# KiCad board S13552_64Ch_Adapter_BGA2803_V2-Pannel.kicad_pcb (continued)
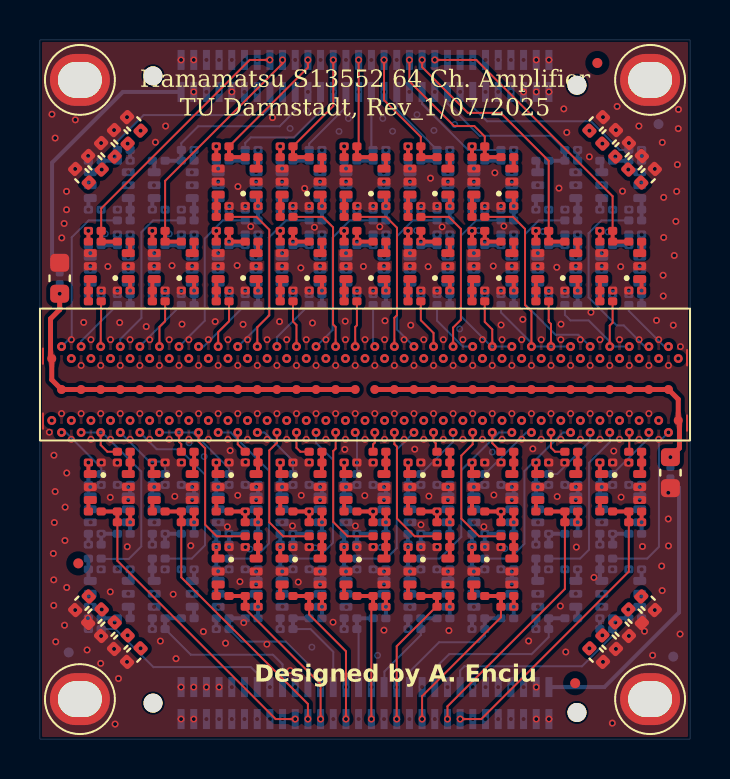
[diagram p0: board, top side]
## Routing (per net, layer and track width the routed paths; a pad name or vN(x,y) marks a point on that pad's centre or on a via; arc(x,y) is an arc through that point) (continued)
GND: length 0.3
  Top w0.2: C1.2 31.56,12.56 31.56,12.48 31.52,12.44 31.52,12.43 31.45,12.36 v3(31.45,12.33)
  vias: v3(0.6,31.28) v3(0.67,9.29) v3(0.76,30.09) v3(0.7,14.21) v3(0.76,12.39) v3(0.72,10.84) v3(0.69,7.97) v3(0.69,6.69) v3(0.79,4.87) v3(1.09,25.09) v3(1.21,25.81) v3(1.26,11.61) v3(1.25,9.94) v3(1.23,5.7) v3(1.33,27.42) v3(1.33,26.5) v3(1.34,13.32) v3(1.34,7.59) v3(1.77,31) v3(1.76,28.54) v3(1.76,6.46) v3(2.19,20.86) v3(2.36,4.46) v3(3.06,29.84) v3(3.04,3.79) v3(3.4,23.66) v3(3.71,30.49) v3(3.71,4.51) v3(3.76,0.75) v3(3.93,3.03) v3(3.99,20.85) v3(4.36,31.14) v3(4.37,9.63) v3(4.36,3.86) v3(5.32,20.65) v3(5.78,29.88) v3(6.29,30.69) v3(6.61,23.7) v3(6.81,4.02) v3(7.06,34) v3(7.06,2.6) v3(7.06,1) v3(7.11,20.77) v3(7.55,9.68) v3(7.7,34) v3(7.7,32.4) v3(7.7,2.6) v3(7.7,1) v3(8.18,5.38) v3(8.33,2.6) v3(8.77,20.9) v3(8.97,2.6) v3(9.29,4.8) v3(9.52,14.44) v3(9.6,32.4) v3(9.87,23.71) v3(9.91,27.66) v3(10.17,20.76) v3(11.64,31.11) v3(11.99,20.9) v3(13.06,23.59) v3(13.25,27.57) v3(13.64,20.83) v3(15.28,20.92) v3(15.26,14.5) v3(16.19,23.66) v3(17.27,20.94) v3(17.22,5.45) v3(18.56,20.72) v3(18.76,14.51) v3(19.43,23.65) v3(19.55,28.08) v3(20.47,5.43) v3(22.77,28.35) v3(22.69,23.68) v3(23.08,20.73) v3(24.17,21.01) v3(24.21,32.4) v3(24.46,4.91) v3(24.67,14.53) v3(24.84,34) v3(24.84,32.4) v3(24.84,2.6) v3(24.84,1) v3(25.48,34) v3(25.48,32.4) v3(25.48,1) v3(25.87,23.62) v3(25.98,27.58) v3(26.08,20.77) v3(26.22,31.55) v3(26.37,30.37) v3(26.32,4.36) v3(26.85,9.61) v3(27.58,21.37) v3(28.18,31.14) v3(28.18,3.86) v3(28.65,0.8) v3(28.72,14.42) v3(28.83,30.49) v3(28.83,4.51) v3(28.89,31.67) v3(29.07,23.65) v3(29.16,27.43) v3(29.48,5.16) v3(29.98,30.69) v3(30.16,9.64) v3(30.26,5.4) v3(30.67,4.19) v3(30.78,28.54) v3(30.78,6.46) v3(30.86,20.96) v3(31.15,29.87) v3(31.12,8.66) v3(31.14,7.43) v3(31.22,27.12) v3(31.22,25.11) v3(31.19,23.22) v3(31.2,22.18) v3(31.45,11.02) v3(31.46,9.67) v3(31.75,24.21) v3(31.7,20.72) v3(31.87,27.42) v3(31.83,25.92) v3(31.96,31.52) v3(31.95,30.56) v3(31.91,28.76) v3(32.04,5.26) v4(1.08,16.3) v4(2.06,18.7) v4(2.06,16.3) v4(2.52,24.33) v4(2.52,23.68) v4(2.52,12.62) v4(3.07,22.45) v4(3.04,18.7) v4(3.04,16.3) v4(3.08,13.84) v4(3.88,22.45) v4(3.87,13.83) v4(4.02,18.7) v4(4.02,16.3) v4(4.42,23.68) v4(4.42,12.62) v4(4.42,11.97) v4(5,18.7) v4(5,16.3) v4(5.72,24.33) v4(5.72,23.68) v4(5.72,12.62) v4(5.98,18.7) v4(5.98,16.3) v4(6.27,22.46) v4(6.27,13.84) v4(6.96,18.7) v4(6.96,16.3) v4(7.08,22.44) v4(7.09,13.84) v4(7.62,23.68) v4(7.62,12.62) v4(7.62,11.97) v4(7.94,18.7) v4(7.94,16.3) v4(8.92,28.56) v4(8.92,27.91) v4(8.92,24.33) v4(8.92,23.68) v4(8.92,18.7) v4(8.92,16.3) v4(8.92,12.62) v4(8.92,8.4) v4(9.38,10.63) v4(9.48,26.68) v4(9.46,13.84) v4(9.46,9.61) v4(9.5,22.44) v4(9.9,18.7) v4(9.9,16.3) v4(10.28,26.68) v4(10.27,22.45) v4(10.2,5.83) v4(10.29,13.87) v4(10.29,9.61) v4(10.55,25.66) v4(10.82,27.91) v4(10.82,23.68) v4(10.88,18.7) v4(10.88,16.3) v4(10.82,12.62) v4(10.82,11.97) v4(10.82,8.39) v4(10.82,7.74) v4(11.36,4.75) v4(11.86,18.7) v4(11.86,16.3) v4(12.12,28.56) v4(12.12,27.91) v4(12.12,24.33) v4(12.12,23.68) v4(12.12,12.62) v4(12.13,8.39) v4(12.52,3.43) v4(12.66,26.69) v4(12.67,22.45) v4(12.67,13.84) v4(12.64,10.67) v4(12.66,9.61) v4(12.84,18.7) v4(12.84,16.3) v4(13.47,26.68) v4(13.47,22.45) v4(13.48,13.85) v4(13.48,9.62) v4(13.74,25.62) v4(13.82,18.7) v4(13.82,16.3) v4(14.02,27.91) v4(14.02,23.68) v4(14.02,12.62) v4(14.02,11.97) v4(14.02,8.39) v4(14.02,7.74) v4(14.8,18.7) v4(14.8,16.3) v4(15.32,28.56) v4(15.32,27.91) v4(15.32,24.33) v4(15.32,23.68) v4(15.32,12.62) v4(15.32,8.39) v4(15.78,18.7) v4(15.78,16.3) v4(15.87,22.45) v4(15.86,13.84) v4(15.79,10.67) v4(15.86,9.61) v4(15.91,26.69) v4(16.67,26.68) v4(16.67,22.45) v4(16.68,13.84) v4(16.68,9.62) v4(16.76,18.7) v4(16.76,16.3) v4(17.01,25.65) v4(17.22,27.91) v4(17.22,23.68) v4(17.22,12.62) v4(17.22,11.97) v4(17.22,8.39) v4(17.22,7.74) v4(17.74,18.7) v4(17.74,16.3) v4(18.52,28.56) v4(18.52,27.91) v4(18.52,24.33) v4(18.52,23.68) v4(18.52,12.62) v4(18.52,8.39) v4(18.72,18.7) v4(18.72,16.3) v4(19.08,26.68) v4(19.06,22.45) v4(19.06,13.84) v4(19.07,10.73) v4(19.06,9.61) v4(19.7,18.7) v4(19.7,16.3) v4(19.88,26.68) v4(19.88,22.45) v4(19.88,9.62) v4(19.89,13.85) v4(20.13,25.64) v4(20.42,27.91) v4(20.42,23.68) v4(20.42,12.62) v4(20.42,11.97) v4(20.42,8.39) v4(20.42,7.74) v4(20.68,18.7) v4(20.68,16.3) v4(21.66,18.7) v4(21.66,16.3) v4(21.72,28.56) v4(21.72,27.91) v4(21.72,24.33) v4(21.72,23.68) v4(21.72,12.62) v4(21.72,8.39) v4(22.27,26.68) v4(22.27,22.45) v4(22.27,13.84) v4(22.22,10.63) v4(22.27,9.62) v4(22.64,18.7) v4(22.64,16.3) v4(23.08,26.68) v4(23.08,22.45) v4(23.08,13.85) v4(23.06,9.59) v4(23.22,25.68) v4(23.62,27.91) v4(23.62,23.68) v4(23.62,18.7) v4(23.62,16.3) v4(23.62,12.62) v4(23.62,11.97) v4(23.62,8.39) v4(23.62,7.74) v4(24.6,18.7) v4(24.6,16.3) v4(24.92,24.33) v4(24.92,23.68) v4(24.92,12.62) v4(25.47,22.44) v4(25.46,13.84) v4(25.58,18.7) v4(25.58,16.3) v4(26.27,22.45) v4(26.25,13.83) v4(26.56,18.7) v4(26.56,16.3) v4(26.82,23.68) v4(26.82,12.62) v4(26.82,11.97) v4(27.54,18.7) v4(27.54,16.3) v4(28.12,24.33) v4(28.12,23.68) v4(28.12,12.62) v4(28.52,18.7) v4(28.52,16.3) v4(28.68,22.45) v4(28.66,13.84) v4(29.47,22.45) v4(29.46,13.82) v4(29.5,18.7) v4(29.5,16.3) v4(30.02,23.68) v4(30.02,12.62) v4(30.02,11.97) v4(30.48,18.7) v4(30.48,16.3) v4(31.46,18.7) v5(0.47,15.36) v5(1.57,20) v5(1.57,15) v5(2.55,20) v5(2.55,15) v5(3.53,20) v5(3.53,15) v5(4.51,20) v5(4.51,15) v5(5.49,20) v5(5.49,15) v5(6.47,20) v5(6.47,15) v5(7.45,20) v5(7.45,15) v5(8.43,20) v5(8.43,15) v5(9.41,20) v5(9.41,15) v5(10.39,20) v5(10.39,15) v5(11.37,20) v5(11.37,15) v5(12.35,20) v5(12.35,15) v5(13.33,20) v5(13.33,15) v5(14.31,20) v5(14.31,15) v5(15.29,20) v5(15.29,15) v5(16.27,20) v5(16.27,15) v5(17.25,20) v5(17.25,15) v5(18.23,20) v5(18.23,15) v5(19.21,20) v5(19.21,15) v5(20.19,20) v5(20.19,15) v5(21.17,20) v5(21.17,15) v5(22.15,20) v5(22.15,15) v5(23.13,20) v5(23.13,15) v5(24.11,20) v5(24.11,15) v5(25.09,20) v5(25.09,15) v5(26.07,20) v5(26.07,15) v5(27.05,20) v5(27.05,15) v5(28.03,20) v5(28.03,15) v5(29.01,20) v5(29.01,15) v5(29.99,20) v5(29.99,15) v5(30.97,20) v5(30.97,15) v5(32.06,19.65) v6(2.41,29.19) v6(2.4,6.05) v6(3.06,5.16) v6(3.52,12.1) v6(3.52,7.37) v6(6.03,4.9) v6(6.67,7.25) v6(6.75,12.15) v6(9.9,12.2) v6(10.01,7.88) v6(12.93,7.86) v6(13.08,12.2) v6(14.67,5.85) v6(16.26,12.19) v6(19.47,12.16) v6(22.72,12.22) v6(25.89,12.14) v6(26.05,6.66) v6(27.5,29.15) v6(27.73,8.09) v6(29.09,12.11) v6(29.48,29.84) v7(30.13,29.19) v8(3.27,25.29) v8(6.47,25.29) v8(8.33,32.4) v8(8.97,32.4) v8(9.6,2.6) v8(10.87,34) v8(11.51,1) v8(12.14,1) v8(20.4,34) v8(21.03,34) v8(21.67,1) v8(23.57,32.4) v8(24.21,2.6) v9(10.24,32.4) v9(10.24,2.6) v9(22.3,32.4) v9(22.3,2.6) v9(22.94,32.4) v9(22.94,2.6) v9(23.57,2.6) v10(7.46,14.83) v10(8.22,14.14) v10(9.39,25.39) v10(10.51,9.51) v10(12.52,30.57) v10(12.57,25.42) v10(13.34,31.46) v10(13.61,4.6) v10(13.78,9.57) v10(14.97,30.42) v10(15.44,31.07) v10(15.79,25.43) v10(16.9,4.19) v10(17.07,9.6) v10(17.16,31.07) v10(17.65,30.43) v10(18.87,31.26) v10(18.85,25.46) v10(19.72,30.47) v10(19.89,9.63) v10(20.76,30.77) v10(21.01,20.53) v10(21.96,25.46) v10(22.64,14.37) v10(23.27,9.54) v10(25.19,25.41) v10(28.43,25.39) v11(2.52,27.73) v11(2.51,23.49) v11(2.53,11.5) v11(2.53,10.85) v11(2.52,7.28) v11(2.52,6.63) v11(3.06,26.5) v11(3.06,22.26) v11(3.06,12.71) v11(3.05,8.49) v11(3.88,22.27) v11(3.87,8.5) v11(3.89,26.51) v11(3.89,12.72) v11(4.42,28.38) v11(4.42,27.73) v11(4.41,24.14) v11(4.41,23.49) v11(4.43,11.5) v11(4.42,7.28) v11(5.7,27.72) v11(5.69,23.5) v11(5.73,11.5) v11(5.73,10.85) v11(5.71,7.27) v11(5.71,6.62) v11(6.25,26.49) v11(6.24,22.27) v11(6.26,12.71) v11(6.24,8.48) v11(7.07,26.5) v11(7.06,22.28) v11(7.08,12.72) v11(7.06,8.49) v11(7.6,28.37) v11(7.6,27.72) v11(7.59,24.15) v11(7.59,23.5) v11(7.63,11.5) v11(7.61,7.27) v11(8.92,27.73) v11(8.9,23.49) v11(8.94,11.51) v11(8.94,10.86) v11(8.93,7.27) v11(8.93,6.62) v11(9.47,26.5) v11(9.45,22.26) v11(9.47,12.72) v11(9.46,8.48) v11(10.27,22.27) v11(10.28,8.49) v11(10.29,26.51) v11(10.29,12.73) v11(10.82,28.38) v11(10.82,27.73) v11(10.8,24.14) v11(10.8,23.49) v11(10.84,11.51) v11(10.83,7.27) v11(12.11,27.73) v11(12.1,23.49) v11(12.13,11.51) v11(12.13,10.86) v11(12.14,7.28) v11(12.14,6.63) v11(12.66,26.5) v11(12.65,22.26) v11(12.66,12.72) v11(12.67,8.49) v11(13.48,26.51) v11(13.47,22.27) v11(13.48,12.73) v11(13.49,8.5) v11(14.01,28.38) v11(14.01,27.73) v11(14,24.14) v11(14,23.49) v11(14.03,11.51) v11(14.04,7.28) v11(15.3,27.72) v11(15.32,23.49) v11(15.33,11.5) v11(15.33,10.85) v11(15.34,7.26) v11(15.34,6.61) v11(15.85,26.49) v11(15.87,22.26) v11(15.86,12.71) v11(15.87,8.47) v11(16.67,26.5) v11(16.68,12.72) v11(16.69,22.27) v11(16.69,8.48) v11(17.2,28.37) v11(17.2,27.72) v11(17.22,24.14) v11(17.22,23.49) v11(17.23,11.5) v11(17.24,7.26) v11(18.51,27.73) v11(18.51,23.5) v11(18.53,11.51) v11(18.53,10.86) v11(18.52,7.26) v11(18.52,6.61) v11(19.06,26.5) v11(19.06,22.27) v11(19.06,12.72) v11(19.05,8.47) v11(19.88,26.51) v11(19.88,22.28) v11(19.88,12.73) v11(19.87,8.48) v11(20.41,28.38) v11(20.41,27.73) v11(20.41,24.15) v11(20.41,23.5) v11(20.43,11.51) v11(20.42,7.26) v11(21.71,27.73) v11(21.71,23.49) v11(21.73,11.5) v11(21.73,10.85) v11(21.72,7.27) v11(21.72,6.62) v11(22.26,26.5) v11(22.26,22.26) v11(22.26,12.71) v11(22.25,8.48) v11(23.08,26.51) v11(23.08,22.27) v11(23.08,12.72) v11(23.07,8.49) v11(23.61,28.38) v11(23.61,27.73) v11(23.61,24.14) v11(23.61,23.49) v11(23.63,11.5) v11(23.62,7.27) v11(24.91,27.73) v11(24.92,23.49) v11(24.93,11.5) v11(24.93,10.85) v11(24.92,7.28) v11(24.92,6.63) v11(25.46,26.5) v11(25.47,22.26) v11(25.46,12.71) v11(25.45,8.49) v11(26.28,26.51) v11(26.28,12.72) v11(26.27,8.5) v11(26.29,22.27) v11(26.81,28.38) v11(26.81,27.73) v11(26.82,24.14) v11(26.82,23.49) v11(26.83,11.5) v11(26.82,7.28) v11(28.11,27.73) v11(28.11,23.49) v11(28.13,11.5) v11(28.13,10.85) v11(28.12,7.28) v11(28.12,6.63) v11(28.66,26.5) v11(28.66,22.26) v11(28.66,12.71) v11(28.65,8.49) v11(29.48,26.51) v11(29.48,22.27) v11(29.48,12.72) v11(29.47,8.5) v11(30.01,28.38) v11(30.01,27.73) v11(30.01,24.14) v11(30.01,23.49) v11(30.03,11.5) v11(30.02,7.28)
Ch_1: length 12.4
  In2.Cu w0.1: v2(31.95,19.05) 31.95,16.05 arc(31.91,15.86) 31.8,15.69 v1(31.46,15.35)
  Bottom w0.1: v1(31.46,15.35) 30.98,14.87 30.98,9.62 30.4,9.03 C308.1
Ch_2: length 6.9
  In2.Cu w0.1: v1(31.46,19.65) 31.46,16.65 arc(31.42,16.46) 31.31,16.29 v2(30.97,15.95)
  Bottom w0.1: v1(31.46,19.65) 31.26,19.65 29.47,21.43 C198.1
Ch_3: length 6.7
  In2.Cu w0.1: v2(30.97,19.05) 30.97,16.87 arc(30.93,16.68) 30.82,16.51 30.63,16.32 arc(30.52,16.15) 30.48,15.96 v1(30.48,15.35)
  Bottom w0.1: C263.1 30.48,15.08 v1(30.48,15.35)
Ch_4: length 13.4
  In2.Cu w0.1: v2(29.99,15.95) 29.99,16.05 arc(30.03,16.24) 30.14,16.41 30.33,16.6 arc(30.44,16.77) 30.48,16.96 v1(30.48,19.65)
  Bottom w0.1: C223.1 28.11,25.96 27.46,25.32 27.46,22.11 28.86,20.71 29.22,20.71 30.28,19.65 v1(30.48,19.65)
Ch_5: length 4.8
  Top w0.1: C98.1 29.5,14.41 v2(29.5,15.35)
  In2.Cu w0.1: v2(29.5,15.35) 29.5,16.09 arc(29.54,16.28) 29.65,16.45 29.84,16.64 arc(29.95,16.81) 29.99,17 v2(29.99,19.05)
Ch_6: length 8.2
  In2.Cu w0.1: v1(29.5,19.65) 29.5,17.04 arc(29.46,16.85) 29.35,16.68 29.16,16.49 arc(29.05,16.32) 29.01,16.13 v2(29.01,15.95)
  Bottom w0.1: C283.1 26.27,21.23 26.55,20.96 27.46,20.96 28.77,19.65 v1(29.5,19.65)
Ch_7: length 12.4
  In2.Cu w0.1: v2(29.01,19.05) 29.01,17.04 arc(28.97,16.85) 28.86,16.68 28.67,16.49 arc(28.56,16.32) 28.52,16.13 v1(28.52,15.35)
  Bottom w0.1: v1(28.52,15.35) 28.52,14.87 27.48,13.83 27.48,9.48 27.04,9.03 C288.1
Ch_8: length 6.2
  Top w0.1: v2(28.52,19.65) 28.52,20.7 28.66,20.84 C38.1
  In2.Cu w0.1: v2(28.52,19.65) 28.52,17.02 arc(28.48,16.83) 28.37,16.66 28.18,16.47 arc(28.07,16.3) 28.03,16.11 v2(28.03,15.95)
Ch_9: length 7.1
  In2.Cu w0.1: v1(27.54,15.35) 27.54,16.06 arc(27.58,16.25) 27.69,16.42 27.88,16.61 arc(27.99,16.78) 28.03,16.97 v2(28.03,19.05)
  Bottom w0.1: C258.1 25.89,13.26 27.54,14.92 v1(27.54,15.35)
Ch_10: length 13.8
  In2.Cu w0.1: v2(27.05,15.95) 27.05,16.16 arc(27.09,16.35) 27.2,16.52 27.39,16.71 arc(27.5,16.88) 27.54,17.07 v1(27.54,19.65)
  Bottom w0.1: v1(27.54,19.65) 26.95,20.24 25.81,20.24 24.28,21.77 24.28,25.28 24.97,25.96 C303.1
Ch_11: length 12.9
  In2.Cu w0.1: v2(27.05,19.05) 27.05,17.08 arc(27.01,16.89) 26.9,16.72 26.71,16.53 arc(26.6,16.36) 26.56,16.17 v1(26.56,15.35)
  Bottom w0.1: v1(26.56,15.35) 26.18,15.35 24.25,13.42 24.25,9.77 23.52,9.03 C318.1
Ch_12: length 8.4
  In2.Cu w0.1: v2(26.07,15.95) 26.07,16.18 arc(26.11,16.37) 26.22,16.54 26.41,16.73 arc(26.52,16.9) 26.56,17.09 v1(26.56,19.65)
  Bottom w0.1: v1(26.56,19.65) 24.78,19.65 23.08,21.35 C213.1
Ch_13: length 5.4
  Top w0.1: C73.1 25.79,14.38 25.58,14.59 v2(25.58,15.35)
  In2.Cu w0.1: v2(25.58,15.35) 25.58,16.2 arc(25.62,16.39) 25.73,16.56 25.92,16.75 arc(26.03,16.92) 26.07,17.11 v2(26.07,19.05)
Ch_14: length 6.3
  Top w0.1: v2(25.58,19.65) 25.46,19.76 25.46,19.77 25.58,19.88 25.58,20.78 25.47,20.89 25.47,20.98 25.46,20.98 C33.1
  In2.Cu w0.1: v2(25.09,15.95) 25.09,16.22 arc(25.13,16.41) 25.24,16.58 25.43,16.77 arc(25.54,16.94) 25.58,17.13 v2(25.58,19.65)
Ch_15: length 7.1
  In2.Cu w0.1: v2(25.09,19.05) 25.09,17.15 arc(25.05,16.96) 24.94,16.8 24.75,16.6 arc(24.64,16.44) 24.6,16.25 v1(24.6,15.35)
  Bottom w0.1: v1(24.6,15.35) 24.35,15.35 C188.1
Ch_16: length 12.1
  Top w0.1: C68.1 23.68,26.14 24.28,25.54 24.28,21.73 24.6,21.41 v2(24.6,19.65)
  In2.Cu w0.1: v2(24.11,15.95) 24.11,16.18 arc(24.15,16.37) 24.26,16.54 24.45,16.73 arc(24.56,16.9) 24.6,17.09 v2(24.6,19.65)
Ch_17: length 13
  In2.Cu w0.1: v1(23.62,15.35) 23.62,16.12 arc(23.66,16.31) 23.77,16.47 23.96,16.67 arc(24.07,16.83) 24.11,17.02 v2(24.11,19.05)
  Bottom w0.1: C153.1 20,9.03 21.09,10.12 21.09,13.46 22.98,15.35 v1(23.62,15.35)
Ch_18: length 13.4
  In2.Cu w0.1: v2(23.13,15.95) 23.13,16.05 arc(23.17,16.24) 23.28,16.41 23.47,16.6 arc(23.58,16.77) 23.62,16.96 v1(23.62,19.65)
  Bottom w0.1: v1(23.62,19.65) 22.6,19.65 21.07,21.18 21.07,25.2 21.84,25.96 C273.1
Ch_19: length 5
  Top w0.1: C78.1 22.64,14.82 v2(22.64,15.35)
  In2.Cu w0.1: v2(23.13,19.05) 23.13,17.04 arc(23.09,16.84) 22.98,16.68 22.79,16.49 arc(22.68,16.32) 22.64,16.13 v2(22.64,15.35)
Ch_20: length 6.3
  Top w0.1: C28.1 22.27,20.88 22.64,20.51 v2(22.64,19.65)
  In2.Cu w0.1: v2(22.64,19.65) 22.64,16.97 arc(22.6,16.78) 22.49,16.62 22.3,16.42 arc(22.19,16.26) 22.15,16.07 v2(22.15,15.95)
Ch_21: length 10.8
  Top w0.1: v2(21.66,15.35) 21.66,14.76 21.09,14.19 21.09,11.04 21.98,10.15 C128.1
  In2.Cu w0.1: v2(21.66,15.35) 21.66,16 arc(21.7,16.19) 21.81,16.36 22,16.55 arc(22.11,16.72) 22.15,16.91 v2(22.15,19.05)
Ch_22: length 7
  In2.Cu w0.1: v2(21.17,15.95) 21.17,16.06 arc(21.21,16.25) 21.32,16.42 21.51,16.61 arc(21.62,16.78) 21.66,16.97 v1(21.66,19.65)
  Bottom w0.1: v1(21.66,19.65) 21.17,19.65 19.88,20.94 C158.1
Ch_23: length 6.6
  In2.Cu w0.1: v1(20.68,15.35) 20.68,16.13 arc(20.72,16.32) 20.83,16.49 21.02,16.68 arc(21.13,16.85) 21.17,17.04 v2(21.17,19.05)
  Bottom w0.1: C163.1 20.68,14.88 v1(20.68,15.35)
Ch_24: length 12.2
  Top w0.1: C58.1 20.47,26.14 21.07,25.54 21.07,20.99 20.68,20.6 v2(20.68,19.65)
  In2.Cu w0.1: v2(20.19,15.95) 20.19,16.2 arc(20.23,16.39) 20.34,16.56 20.53,16.75 arc(20.64,16.92) 20.68,17.11 v2(20.68,19.65)
Ch_25: length 4.9
  Top w0.1: C83.1 19.81,14.45 19.81,14.81 19.7,14.92 v2(19.7,15.35)
  In2.Cu w0.1: v2(19.7,15.35) 19.7,16.25 arc(19.74,16.44) 19.85,16.61 20.04,16.8 arc(20.15,16.97) 20.19,17.16 v2(20.19,19.05)
Ch_26: length 6.4
  Top w0.1: C23.1 19.06,20.96 19.7,20.33 v2(19.7,19.65)
  In2.Cu w0.1: v2(19.21,15.95) 19.21,16.35 arc(19.25,16.54) 19.36,16.7 19.55,16.9 arc(19.66,17.06) 19.7,17.25 v2(19.7,19.65)
Ch_27: length 12.2
  In2.Cu w0.1: v1(18.72,15.35) 18.72,16.28 arc(18.76,16.47) 18.87,16.64 19.06,16.83 arc(19.17,17) 19.21,17.19 v2(19.21,19.05)
  Bottom w0.1: C143.1 17.34,9.03 17.86,9.56 17.86,14.49 v1(18.72,15.35)
Ch_28: length 12.1
  In2.Cu w0.1: v1(18.72,19.65) 18.72,17.15 arc(18.68,16.96) 18.57,16.79 18.38,16.6 arc(18.27,16.43) 18.23,16.24 v2(18.23,15.95)
  Bottom w0.1: v1(18.72,19.65) 17.87,20.5 17.87,25.17 18.67,25.96 C178.1
Ch_29: length 10.6
  Top w0.1: v2(17.74,15.35) 17.74,14.77 17.87,14.64 17.87,11.04 18.76,10.15 C118.1
  In2.Cu w0.1: v2(17.74,15.35) 17.74,16.21 arc(17.78,16.4) 17.89,16.57 18.08,16.76 arc(18.19,16.93) 18.23,17.12 v2(18.23,19.05)
Ch_30: length 12.1
  Top w0.1: v2(17.74,19.65) 17.74,21.09 17.87,21.22 17.87,25.6 17.33,26.14 C53.1
  In2.Cu w0.1: v2(17.25,15.95) 17.25,16.17 arc(17.29,16.36) 17.4,16.52 17.59,16.72 arc(17.7,16.88) 17.74,17.07 v2(17.74,19.65)
Ch_31: length 4.9
  Top w0.1: C138.1 16.67,14.75 16.76,14.84 v2(16.76,15.35)
  In2.Cu w0.1: v2(16.76,15.35) 16.76,16.1 arc(16.8,16.29) 16.91,16.46 17.1,16.65 arc(17.21,16.82) 17.25,17.01 v2(17.25,19.05)
Ch_32: length 6
  In2.Cu w0.1: v2(16.27,15.95) 16.27,16.23 arc(16.31,16.42) 16.42,16.59 16.61,16.78 arc(16.72,16.95) 16.76,17.14 v1(16.76,19.65)
  Bottom w0.1: C193.1 16.67,19.73 v1(16.76,19.65)
Ch_33: length 6
  In2.Cu w0.1: v1(15.78,15.35) 15.78,16.18 arc(15.82,16.37) 15.93,16.54 16.12,16.73 arc(16.23,16.9) 16.27,17.09 v2(16.27,19.05)
  Bottom w0.1: v1(15.78,15.35) 15.87,15.26 15.87,13.27 C313.1
Ch_34: length 6.2
  Top w0.1: v2(15.78,19.65) 15.78,20.63 15.86,20.71 C18.1
  In2.Cu w0.1: v2(15.78,19.65) 15.78,17.11 arc(15.74,16.92) 15.63,16.75 15.44,16.56 arc(15.33,16.39) 15.29,16.2 v2(15.29,15.95)
Ch_35: length 10.7
  Top w0.1: v2(14.8,15.35) 14.8,14.54 14.68,14.42 14.68,10.87 15.4,10.15 C88.1
  In2.Cu w0.1: v2(15.29,19.05) 15.29,17.19 arc(15.25,17) 15.14,16.83 14.95,16.64 arc(14.84,16.47) 14.8,16.28 v2(14.8,15.35)
Ch_36: length 12.1
  Top w0.1: C48.1 14.15,26.14 14.67,25.62 14.67,20.76 14.8,20.63 v2(14.8,19.65)
  In2.Cu w0.1: v2(14.8,19.65) 14.8,17.18 arc(14.76,16.99) 14.65,16.83 14.46,16.63 arc(14.35,16.47) 14.31,16.28 v2(14.31,15.95)
Ch_37: length 12.1
  In2.Cu w0.1: v1(13.82,15.35) 13.82,16.21 arc(13.86,16.4) 13.97,16.57 14.16,16.76 arc(14.27,16.93) 14.31,17.12 v2(14.31,19.05)
  Bottom w0.1: C248.1 13.88,9.03 14.67,9.83 14.67,13.98 13.82,14.83 v1(13.82,15.35)
Ch_38: length 12
  In2.Cu w0.1: v1(13.82,19.65) 13.82,17.09 arc(13.78,16.9) 13.67,16.73 13.48,16.54 arc(13.37,16.37) 13.33,16.18 v2(13.33,15.95)
  Bottom w0.1: v1(13.82,19.65) 14.65,20.48 14.65,25.11 15.51,25.96 C278.1
Ch_39: length 5.3
  Top w0.1: C123.1 13.04,14.38 12.84,14.58 v2(12.84,15.35)
  In2.Cu w0.1: v2(12.84,15.35) 12.84,16.12 arc(12.88,16.31) 12.99,16.48 13.18,16.67 arc(13.29,16.84) 13.33,17.03 v2(13.33,19.05)
Ch_40: length 6.2
  Top w0.1: C13.1 12.66,20.9 12.84,20.73 v2(12.84,19.65)
  In2.Cu w0.1: v2(12.84,19.65) 12.84,17.2 arc(12.8,17.01) 12.69,16.84 12.5,16.65 arc(12.39,16.48) 12.35,16.29 v2(12.35,15.95)
Ch_41: length 10.8
  Top w0.1: C108.1 12.18,10.15 11.48,10.85 11.48,14.45 11.86,14.83 v2(11.86,15.35)
  In2.Cu w0.1: v2(11.86,15.35) 11.86,16.28 arc(11.9,16.47) 12.01,16.64 12.2,16.83 arc(12.31,17) 12.35,17.19 v2(12.35,19.05)
Ch_42: length 6.6
  In2.Cu w0.1: v1(11.86,19.65) 11.86,17.27 arc(11.82,17.08) 11.71,16.91 11.52,16.72 arc(11.41,16.55) 11.37,16.36 v2(11.37,15.95)
  Bottom w0.1: v1(11.86,19.65) 11.86,20.12 C218.1
Ch_43: length 6.9
  In2.Cu w0.1: v1(10.88,15.35) 10.88,16.34 arc(10.92,16.53) 11.03,16.7 11.22,16.89 arc(11.33,17.06) 11.37,17.25 v2(11.37,19.05)
  Bottom w0.1: v1(10.88,15.35) 11.24,15.35 12.66,13.93 12.66,13.27 C173.1
Ch_44: length 12.2
  Top w0.1: v2(10.88,19.65) 10.88,20.62 11.48,21.22 11.48,25.5 10.84,26.14 C43.1
  In2.Cu w0.1: v2(10.39,15.95) 10.39,16.62 arc(10.43,16.81) 10.54,16.98 10.73,17.17 arc(10.84,17.34) 10.88,17.53 v2(10.88,19.65)
Ch_45: length 5
  Top w0.1: C103.1 9.9,14.76 v2(9.9,15.35)
  In2.Cu w0.1: v2(9.9,15.35) 9.9,16.62 arc(9.94,16.81) 10.05,16.98 10.24,17.17 arc(10.35,17.34) 10.39,17.53 v2(10.39,19.05)
Ch_46: length 12.3
  In2.Cu w0.1: v2(9.41,15.95) 9.41,16.9 arc(9.45,17.09) 9.56,17.26 9.75,17.45 arc(9.86,17.62) 9.9,17.81 v1(9.9,19.65)
  Bottom w0.1: v1(9.9,19.65) 9.91,19.65 11.45,21.19 11.45,25.1 12.32,25.96 C208.1
Ch_47: length 13.1
  In2.Cu w0.1: v1(8.92,15.35) 8.92,16.85 arc(8.96,17.04) 9.07,17.21 9.26,17.4 arc(9.37,17.57) 9.41,17.76 v2(9.41,19.05)
  Bottom w0.1: C233.1 10.71,9.03 11.46,9.79 11.46,13.44 9.55,15.35 v1(8.92,15.35)
Ch_48: length 6.3
  Top w0.1: C8.1 9.46,20.91 8.92,20.37 v2(8.92,19.65)
  In2.Cu w0.1: v2(8.43,15.95) 8.43,16.91 arc(8.47,17.1) 8.58,17.27 8.77,17.46 arc(8.88,17.63) 8.92,17.82 v2(8.92,19.65)
Ch_49: length 10.9
  Top w0.1: v2(7.94,15.35) 7.94,14.89 8.27,14.56 8.27,10.73 8.85,10.15 C113.1
  In2.Cu w0.1: v2(7.94,15.35) 7.94,16.99 arc(7.98,17.18) 8.09,17.35 8.28,17.54 arc(8.39,17.71) 8.43,17.9 v2(8.43,19.05)